# Allegro board ultrasound_tnr_1000a_01_20171121.brd (continued)
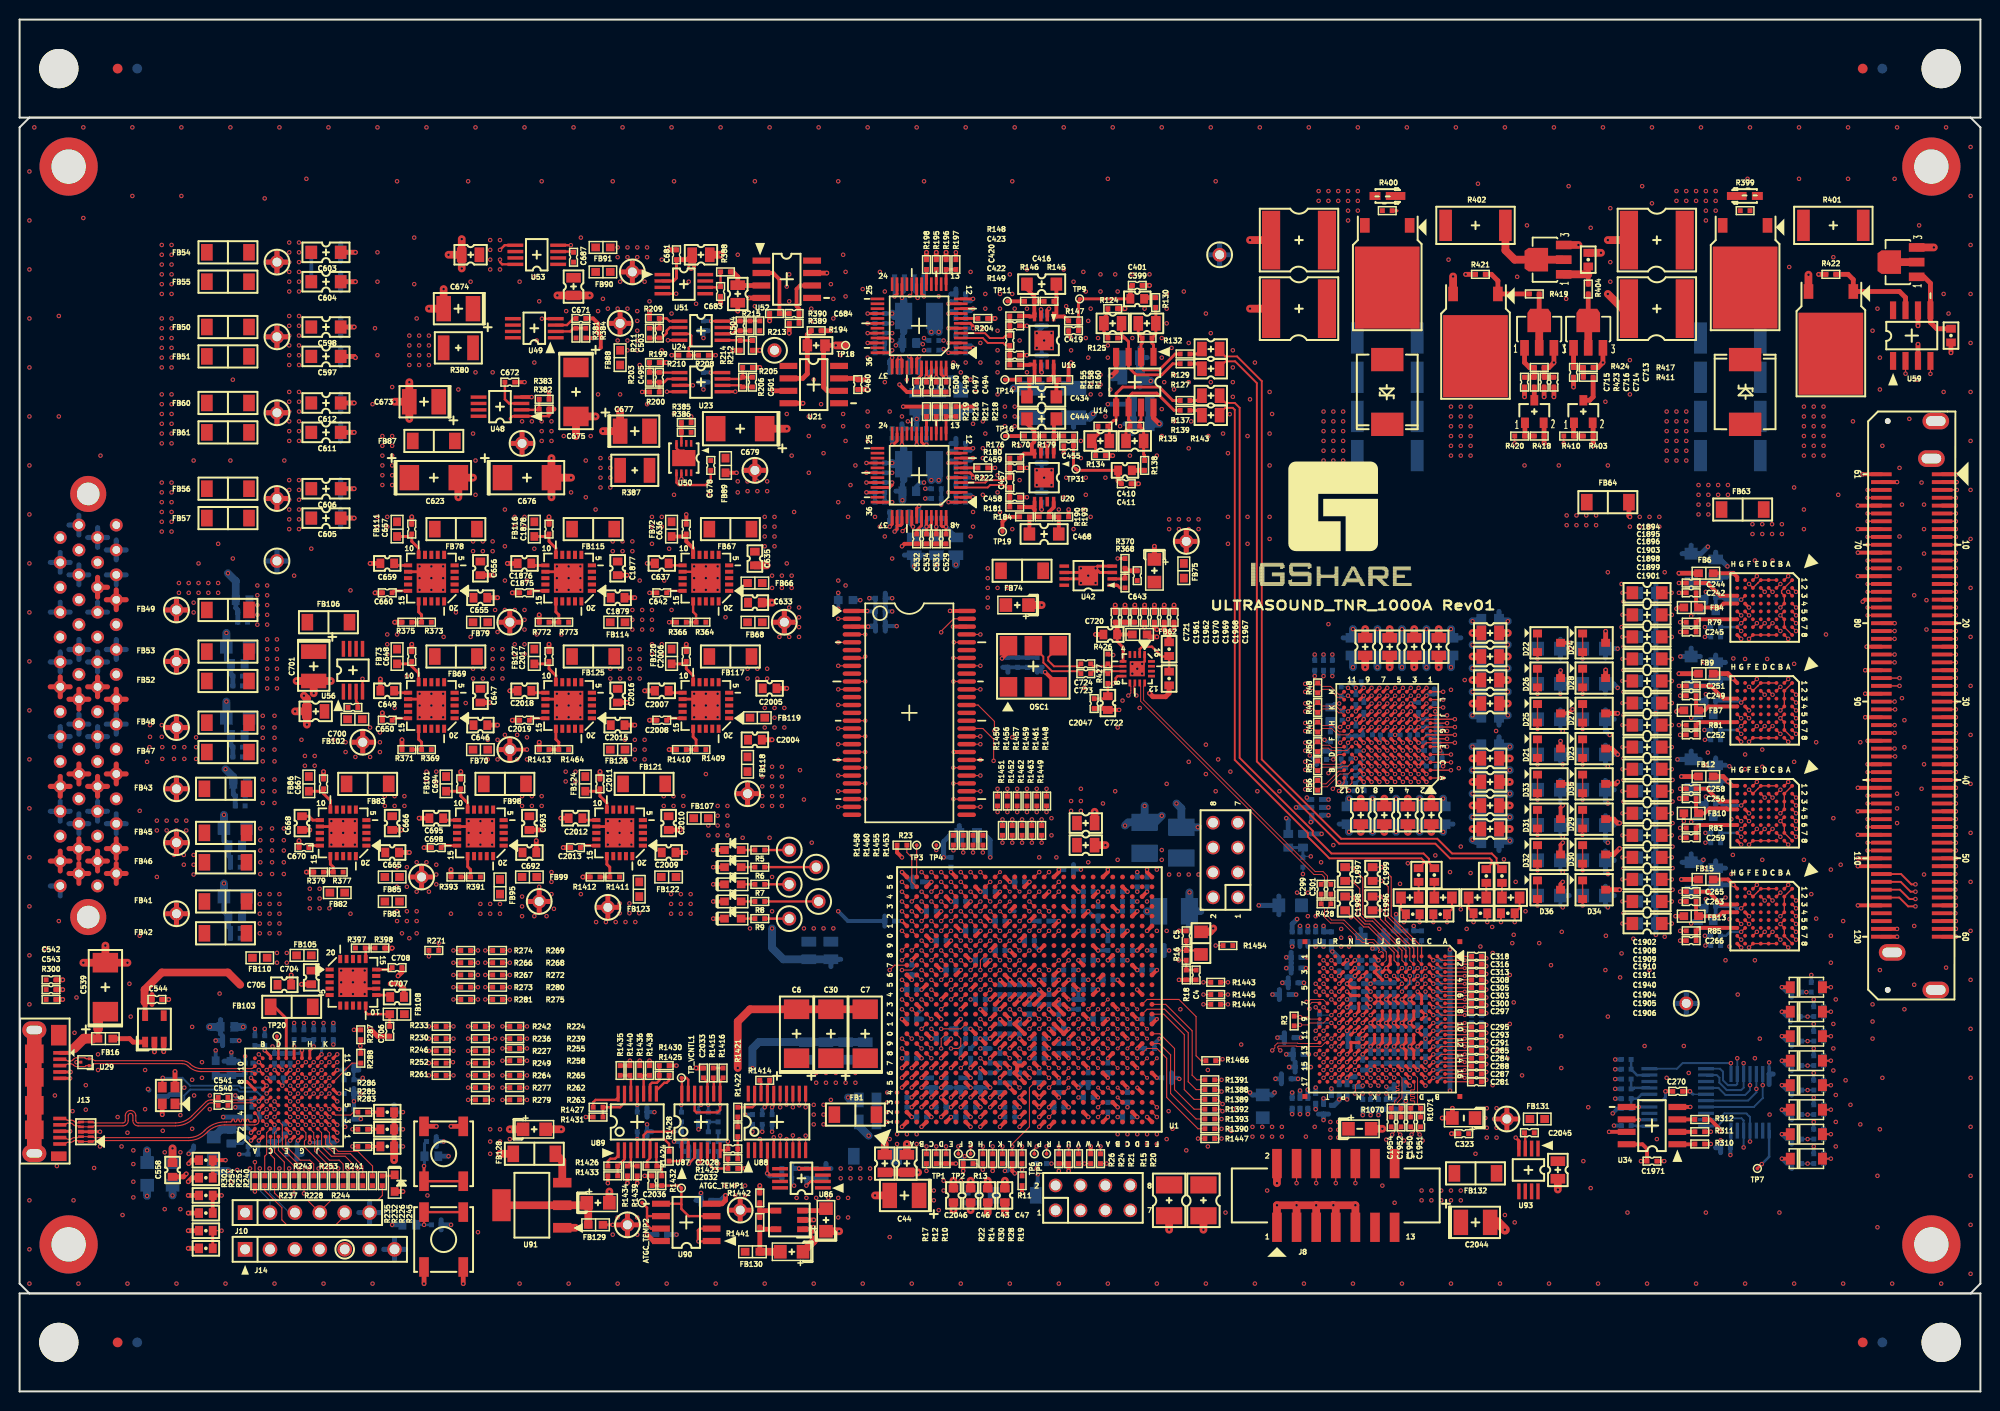
[diagram p0: board, top side]
## Routing (per net, layer and track width the routed paths; a pad name or vN(x,y) marks a point on that pad's centre or on a via; arc(x,y) is an arc through that point) (continued)
LVOUT_CH6: length 54.4
  TOP w0.13: C293.1 149.4,36.4 v1(149.6,36.6) ; U3.A3 v1(142.7,62.2)
  TOP w0.14: D33.1 D33.2 v1(154.82,60.4)
  SIG1 w0.14: v1(154.82,60.4) 154.3,60.4 153.8,59.9 153.8,56.5 154.9,55.4 158.8,55.4 161.1,53.1 161.1,45.3 152.4,36.6 v1(149.6,36.6)
  SIG2 w0.14: v1(154.82,60.4) 153.62,61.6 146.5,61.6 146.3,61.8 143.1,61.8 v1(142.7,62.2)
  BOTTOM w0.14: L12.2 154.84,60.84 154.82,60.82 v1(154.82,60.4)
  BOTTOM w0.25: C1978.1 149.4,36.8 v1(149.6,36.6)
LVOUT_CH7: length 52.4
  TOP w0.13: v1(149.6,37.4) 149.4,37.2 C295.1 ; U3.B3 v1(142.7,63)
  TOP w0.14: D35.1 D35.2 v1(159.43,60.4)
  SIG1 w0.14: v1(142.7,63) 143.1,62.6 143.1,61.94 143.24,61.8 146.1,61.8 147.1,62.8 156.7,62.8 159.1,60.4 v1(159.43,60.4)
  SIG3 w0.14: v1(159.43,60.4) 159,60.4 158,59.4 158,44.4 151,37.4 v1(149.6,37.4)
  BOTTOM w0.14: v1(159.43,60.4) 159.43,60.82 159.44,60.84 L13.2
  BOTTOM w0.25: C1979.1 149.4,37.6 v1(149.6,37.4)
LVOUT_CH8: length 66.3
  TOP w0.13: C297.1 149.4,38.8 v1(149.6,38.6) ; U3.M6 v1(140.3,71.8)
  TOP w0.14: D22.1 D22.2 v1(154.82,74.8)
  SIG2 w0.14: v1(140.3,71.8) 140.3,73.9 140.8,74.4 154.43,74.4 v1(154.82,74.8) 155.6,74.8 156,74.4 156,71.2 158.8,68.4 158.8,61.2 158.45,60.85 158.45,44.15 152.9,38.6 v1(149.6,38.6)
  BOTTOM w0.14: L7.2 154.84,75.24 154.82,75.22 v1(154.82,74.8)
  BOTTOM w0.25: C1980.1 149.4,38.4 v1(149.6,38.6)
LVOUT_CH9: length 71.3
  TOP w0.13: U3.L6 v1(140.3,71) ; C300.1 149.4,39.6 v1(149.6,39.4)
  TOP w0.14: D24.1 D24.2 v1(159.43,74.8)
  SIG3 w0.14: v1(149.6,39.4) 151.2,39.4 156.7,44.9 156.7,68 157.5,68.8 159.5,68.8 160.2,69.5 160.2,74.03 v1(159.43,74.8)
  SIG4 w0.14: v1(140.3,71) 139.9,71.4 139.9,73 140.4,73.5 140.4,74.6 141.5,75.7 155.5,75.7 156.4,74.8 v1(159.43,74.8)
  BOTTOM w0.14: L6.2 159.44,75.24 159.43,75.22 v1(159.43,74.8)
  BOTTOM w0.25: C1981.1 149.4,39.2 v1(149.6,39.4)
LVOUT_CH10: length 55.8
  TOP w0.13: U3.M5 v1(141.1,71.8) ; C303.1 149.4,40.4 v1(149.6,40.2)
  TOP w0.14: v1(154.82,71.2) D26.2 D26.1
  SIG2 w0.14: v1(149.6,40.2) 151.2,40.2 156,45 156,70.03 v1(154.82,71.2) 152.82,73.2 142,73.2 141.1,72.3 v1(141.1,71.8)
  BOTTOM w0.14: v1(154.82,71.2) 154.82,71.62 154.84,71.64 L8.2
  BOTTOM w0.25: v1(149.6,40.2) 149.4,40 C1982.1
LVOUT_CH11: length 64.3
  TOP w0.13: v1(149.6,41) 149.4,41.2 C305.1 ; U3.L5 v1(141.1,71)
  TOP w0.14: D28.1 D28.2 v1(159.43,71.2)
  SIG3 w0.14: v1(159.43,71.2) 158.1,71.2 155.6,68.7 155.6,45.3 151.3,41 v1(149.6,41)
  SIG4 w0.14: v1(159.43,71.2) 158.62,72 156.7,72 154.3,74.4 141.8,74.4 141.55,74.15 141.55,73.45 140.7,72.6 140.7,71.4 v1(141.1,71)
  BOTTOM w0.14: L9.2 159.44,71.64 159.43,71.62 v1(159.43,71.2)
  BOTTOM w0.25: C1983.1 149.4,40.8 v1(149.6,41)
LVOUT_CH12: length 50.1
  TOP w0.13: U3.B5 v1(141.1,63) ; v1(149.6,41.8) 149.4,42 C308.1
  TOP w0.14: v1(159.43,53.2) D30.2 D30.1
  SIG1 w0.14: v1(149.6,41.8) 155.4,41.8 160.2,46.6 160.2,52.42 v1(159.43,53.2) 158.12,54.5 154.2,54.5 152.7,56 152.7,58.8 152.3,59.2 142.8,59.2 142.2,59.8 142.2,60.6 141.5,61.3 141.5,62.6 v1(141.1,63)
  BOTTOM w0.14: L15.2 159.44,53.64 159.43,53.62 v1(159.43,53.2)
  BOTTOM w0.25: v1(149.6,41.8) 149.4,41.6 C1984.1
LVOUT_CH13: length 38.5
  TOP w0.13: C313.1 149.4,42.8 v1(149.6,42.6) ; U3.A5 v1(141.1,62.2)
  TOP w0.14: v1(154.82,53.2) D32.2 D32.1
  SIG2 w0.14: v1(154.82,53.2) 154.82,55.38 152.2,58 146.6,58 145.65,58.95 143.05,58.95 142.2,59.8 142.2,60.6 141.5,61.3 141.5,61.8 v1(141.1,62.2)
  SIG3 w0.14: v1(149.6,42.6) 151.2,42.6 154.2,45.6 154.2,52.58 v1(154.82,53.2)
  BOTTOM w0.14: v1(154.82,53.2) 154.82,53.62 154.84,53.64 L14.2
  BOTTOM w0.25: C1985.1 149.4,42.4 v1(149.6,42.6)
LVOUT_CH14: length 46.4
  TOP w0.13: U3.B6 v1(140.3,63) ; v1(149.6,43.4) 149.4,43.6 C316.1
  TOP w0.14: v1(159.43,49.6) D34.2 D34.1
  SIG1 w0.14: v1(149.6,43.4) 154.8,43.4 159.43,48.02 v1(159.43,49.6) 159.43,51.98 157.7,53.7 153.7,53.7 149.4,58 142.3,58 141,59.3 141,60.8 140.7,61.1 140.7,62.6 v1(140.3,63)
  BOTTOM w0.14: v1(159.43,49.6) 159.43,50.02 159.44,50.04 L16.2
  BOTTOM w0.25: C1986.1 149.4,43.2 v1(149.6,43.4)
LVOUT_CH15: length 37.2
  TOP w0.13: v1(149.6,44.2) 149.4,44.4 C318.1 ; U3.A6 v1(140.3,62.2)
  TOP w0.14: v1(154.82,49.6) D36.2 D36.1
  SIG1 w0.14: v1(154.82,49.6) 154.9,49.52 154.9,46.6 152.5,44.2 v1(149.6,44.2)
  SIG2 w0.14: v1(154.82,49.6) 153.76,50.66 153.76,53.64 150.6,56.8 146.6,56.8 145.35,58.05 142.55,58.05 141,59.6 141,60.8 140.7,61.1 140.7,61.8 v1(140.3,62.2)
  BOTTOM w0.14: v1(154.82,49.6) 154.82,50.02 154.84,50.04 L17.2
  BOTTOM w0.25: v1(149.6,44.2) 149.4,44 C1987.1
M0: length 9
  TOP w0.115: R24.2 v1(107,25) ; U1.T5 v1(105,31)
  SIG4 w0.13: v1(105,31) 105,29.75 105.5,29.25 105.5,28 107,26.5 v1(107,25)
  BOTTOM w0.115: R24.2 v1(107,25)
M1: length 5.6
  TOP w0.115: U1.T2 v1(105,28) ; R26.2 v1(106,25)
  SIG4 w0.13: v1(105,28) 106,27 v1(106,25)
  BOTTOM w0.115: R26.2 v1(106,25)
M2: length 8.9
  TOP w0.115: U1.P5 103,31 103,27 101.25,25.25 v1(101.25,25) R28.2
  BOTTOM w0.115: R28.2 v1(101.25,25)
N24198_30 HVMUX_HVMUX1: length 7.4
  TOP w0.4: U5.H1 v1(174.75,72.75)
  TOP w0.5: v1(174.75,72.75) 174.25,73.25 FB9.1
  BOTTOM w0.4: v1(174.75,72.75) 173.15,72.75 C255.1
  BOTTOM w0.5: C254.1 172.4,72 C255.1
N24198_30 HVMUX_HVMUX3: length 7.6
  TOP w0.4: FB6.1 v1(174.8,83.5) 175.2,83.1 U4.H1
  BOTTOM w0.5: v1(174.8,83.5) 174.5,83.5 174.1,83.1 C248.1 172.4,82.5 C247.1
N24198_30 HVMUX_HVMUX03: length 6.9
  TOP w0.4: v1(174.25,62.25) 174.7,61.8 U6.H1
  TOP w0.5: v1(174.25,62.25) 173.75,62.75 FB12.1
  BOTTOM w0.4: v1(174.25,62.25) 173.15,62.25 C262.1
  BOTTOM w0.5: C261.1 172.4,61.5 C262.1
N24198_30 HVMUX_HVMUX04: length 7.4
  TOP w0.3: U7.H1 v1(174.8,51.7)
  TOP w0.4: FB15.1 174.25,52.25 v1(174.8,51.7)
  BOTTOM w0.5: v1(174.8,51.7) 173.1,51.7 C269.1 172.4,51 C268.1
N24233_30 HVMUX_HVMUX1: length 5.7
  TOP w0.4: C249.1 171,69.75 FB7.1 171.88,69.5 172.28,69.9 U5.H4
N24233_30 HVMUX_HVMUX3: length 5.7
  TOP w0.4: U4.H4 173.8,80.4 173.4,80 FB4.1 171,80.25 C242.1
N24233_30 HVMUX_HVMUX03: length 5.8
  TOP w0.4: C256.1 171,59.25 FB10.1 171.88,59 172.38,59.5 174.1,59.5 174.2,59.4 U6.H4
N24233_30 HVMUX_HVMUX04: length 5.7
  TOP w0.4: U7.H4 173.7,48.9 173.3,48.5 FB13.1 171,48.75 C263.1
N24253_30 HVMUX_HVMUX1: length 4.9
  TOP w0.15: v1(175.6,70.3) U5.G3
  BOTTOM w0.4: FB8.1 173,69.25 C250.1 175.4,70.5 v1(175.6,70.3)
N24253_30 HVMUX_HVMUX3: length 4.6
  TOP w0.14: v1(175.6,80.8) U4.G3
  BOTTOM w0.4: FB5.1 C243.1 173.8,81 174,80.8 v1(175.6,80.8)
N24253_30 HVMUX_HVMUX03: length 4.9
  TOP w0.14: v1(175.6,59.8) U6.G3
  BOTTOM w0.3: v1(175.6,59.8) 173.7,59.8 173.49,60.01 173.01,60.01 C257.1
  BOTTOM w0.4: C257.1 173,58.62 FB11.1
N24253_30 HVMUX_HVMUX04: length 4.9
  TOP w0.14: U7.G3 v1(175.6,49.3)
  BOTTOM w0.3: v1(175.6,49.3) 175.09,49.3 174.89,49.5 C264.1
  BOTTOM w0.4: FB14.1 173,48.25 C264.1
N16777331_30 HVMUX_HVMUX1: length 5.3
  TOP w0.4: U5.H6 171.3,68.3 R81.1 C252.1
N16777331_30 HVMUX_HVMUX3: length 5.3
  TOP w0.4: C245.1 R79.1 171.3,78.8 U4.H6
N16777331_30 HVMUX_HVMUX03: length 5.3
  TOP w0.4: U6.H6 171.3,57.8 R83.1 C259.1
N16777331_30 HVMUX_HVMUX04: length 5.3
  TOP w0.4: U7.H6 171.3,47.3 R85.1 C266.1
N16777361_30 HVMUX_HVMUX1: length 3.8
  TOP w0.14: v1(175.6,67.9) U5.G6
  BOTTOM w0.25: R82.1 C253.1 175.2,67.5 v1(175.6,67.9)
N16777361_30 HVMUX_HVMUX3: length 3.8
  TOP w0.14: v1(175.6,78.4) U4.G6
  BOTTOM w0.25: R80.1 C246.1 175.2,78 v1(175.6,78.4)
N16777361_30 HVMUX_HVMUX03: length 3.8
  TOP w0.14: v1(175.6,57.4) U6.G6
  BOTTOM w0.25: R84.1 C260.1 175.2,57 v1(175.6,57.4)
N16777361_30 HVMUX_HVMUX04: length 3.8
  TOP w0.14: U7.G6 v1(175.6,46.9)
  BOTTOM w0.25: v1(175.6,46.9) 174.45,46.9 174.05,46.5 C267.1 R86.1
N16777377_30 HVMUX_HVMUX1: length 4.7
  TOP w0.4: U5.H3 173.8,70.7 172.5,72 C251.1
N16777377_30 HVMUX_HVMUX3: length 4.7
  TOP w0.4: C244.1 172.15,82.5 173.45,81.2 U4.H3
N16777377_30 HVMUX_HVMUX03: length 4.7
  TOP w0.4: C258.1 172.1,61.5 173.4,60.2 U6.H3
N16777377_30 HVMUX_HVMUX04: length 4.7
  TOP w0.4: C265.1 172.25,51 173.55,49.7 U7.H3
Net_29: length 0.7
  TOP w0.115: 90.5,40.5 v1(91,40)
Net_34: length 0.7
  TOP w0.115: 90.5,41.5 v1(90,42)
Net_125: length 0.7
  TOP w0.115: 106.5,43.5 v1(107,44)
Net_128: length 0.7
  TOP w0.115: 105.5,43.5 v1(106,44)
Net_129: length 0.7
  TOP w0.115: 94.5,49.5 v1(94,50)
Net_130: length 0.7
  TOP w0.115: 99.5,47.5 v1(100,47)
Net_131: length 0.7
  TOP w0.115: 91.5,50.5 v1(91,50)
Net_132: length 0.7
  TOP w0.115: 100.5,49.5 v2(101,50)
Net_133: length 0.7
  TOP w0.115: 101.5,42.5 v1(102,43)
Net_138: length 0.7
  TOP w0.115: 115.5,28.5 v1(116,28)
Net_139: length 0.6
  TOP w0.115: 138.2,33.2 v1(138.6,32.8)
Net_140: length 0.7
  TOP w0.115: 115.5,29.5 v1(116,29)
Net_141: length 0.6
  TOP w0.115: 139,32.4 v1(139.4,32)
Net_142: length 0.7
  TOP w0.115: 114.5,32.5 v2(115,32)
Net_143: length 0.6
  TOP w0.115: 139.8,33.2 v1(140.2,32.8)
Net_145: length 0.6
  TOP w0.115: 139,33.2 v1(139.4,32.8)
OSC40_N: length 6.4
  TOP w0.2: C723.2 108,73.5 105.3,73.5 104.42,74.38 104.42,74.98 103.4,76 OSC1.5
OSC40_P: length 5.6
  TOP w0.2: OSC1.4 105.94,75.94 104.92,74.92 104.92,74.59 105.51,74 108,74 C724.2
PDN_CLOBAL: length 21.1
  TOP w0.115: U11.M16 v1(137,32) ; R1393.2 v1(122.6,27.8)
  SIG1 w0.13: v1(137,32) 136.6,31.6 133.8,31.6 132,29.8 124.2,29.8 122.8,31.2 122.4,31.2 122.06,30.86 122.06,28.34 v1(122.6,27.8)
PDN_FAST: length 23.1
  TOP w0.115: v1(122.7,33.9) 122.55,33.75 R1466.2 ; U11.M17 136.25,31.25 136.25,30.45 v1(136.2,30.4)
  SIG3 w0.13: v1(122.7,33.9) 122.85,33.75 123.45,33.75 123.6,33.6 132.2,33.6 132.6,33.2 138.05,33.2 138.2,33.05 138.2,30.2 138,30 136.6,30 v1(136.2,30.4)
PKTEND#: length 51.9
  TOP w0.115: v1(96,45) U1.F19 ; R274.1 v1(46.75,45)
  SIG2 w0.13: v1(46.75,45) 47.25,45.5 88,45.5 89,46.5 93.25,46.5 93.75,46 94.25,46 94.75,45.5 U1.F19 v1(96,45)
PLS_/RESET: length 34.5
  TOP w0.115: U3.H12 v1(134.7,67.8) ; v1(123.25,41.75) R1443.1
  SIG3 w0.13: v1(134.7,67.8) 135.1,67.4 135.1,63.6 128.5,57 128.5,48.6 123.25,43.35 v1(123.25,41.75)
  BOTTOM w0.3: 133.7,67.8 R58.1 ; 133.7,67.8 v1(134.7,67.8) ; 133.7,67.8 C196.1
PLS_CLKN: length 46
  TOP w0.095: v1(131.13,67.39) 131.39,67.65 131.95,67.65 132.3,67.3 R45.1 132.5,67.3 132.85,67.65 133.83,67.65 134.48,67 135.5,67 U3.G11 ; U1.P21 v1(103,47)
  SIG4 w0.105: v1(131.13,67.39) 130.84,67.67 124.47,67.67 109.34,52.54 109.34,51.01 108.31,49.98 108.31,48.24 106.07,46 104,46 103.38,46.62 103.38,46.9 103.27,47 v1(103,47)
PLS_CLKP: length 46
  TOP w0.095: U3.G12 135,67.3 134.6,67.3 133.95,67.95 132.85,67.95 132.5,68.3 R45.2 132.3,68.3 131.95,67.95 131.39,67.95 v1(131.13,68.21) ; U1.R21 v1(104,47)
  SIG4 w0.105: v1(131.13,68.21) 130.84,67.92 130.52,67.92 130.45,67.99 130.45,68.16 130.38,68.23 130.29,68.23 130.22,68.16 130.22,67.99 130.15,67.92 130.05,67.92 129.99,67.99 129.99,68.16 129.92,68.23 129.82,68.23 129.75,68.16 129.75,67.99 129.69,67.92 129.59,67.92 129.52,67.99 129.52,68.16 129.45,68.23 129.36,68.23 129.29,68.16 129.29,67.99 129.22,67.92 124.37,67.92 109.09,52.64 109.09,51.11 108.06,50.08 108.06,48.34 105.97,46.25 104.1,46.25 103.62,46.73 103.62,46.9 103.73,47 v1(104,47)
PLS_DATA_N0: length 46.1
  TOP w0.095: U1.K26 v2(100,53) ; U3.M11 v1(135.5,71.8)
  SIG1 w0.105: v1(135.5,71.8) 135.22,71.53 134.27,71.53 133.66,70.91 121.66,70.91 118.01,67.26 118.01,66.76 106.5,55.25 103.1,55.25 100.47,52.62 100.11,52.62 100,52.73 v2(100,53)
  BOTTOM w0.095: R46.1 135.4,71.9 v1(135.5,71.8)
PLS_DATA_N1: length 46.1
  TOP w0.095: U1.P26 v1(104,53) ; U3.K11 v1(135.5,69.4)
  SIG1 w0.105: v1(104,53) 104.27,53 104.38,53.1 104.38,53.62 104.74,53.99 107.24,53.99 122.15,68.9 124.36,68.9 124.7,68.57 124.7,67.85 124.88,67.67 125.14,67.67 125.33,67.85 125.33,68.57 125.66,68.9 126.12,68.9 126.46,68.57 126.46,67.85 126.64,67.67 126.9,67.67 127.09,67.85 127.09,68.57 127.42,68.9 127.89,68.9 128.22,68.57 128.22,67.85 128.4,67.67 128.66,67.67 128.85,67.85 128.85,68.57 129.18,68.9 131.55,68.9 131.78,69.12 135.22,69.12 v1(135.5,69.4)
  BOTTOM w0.095: R47.1 135.4,69.5 v1(135.5,69.4)
PLS_DATA_N2: length 46.1
  TOP w0.095: U3.M12 134.85,71.15 134.52,71.15 133.72,71.95 132.85,71.95 132.5,72.3 R48.1 132.3,72.3 131.95,71.95 131.39,71.95 v1(131.13,72.21) ; U1.L25 v2(101,51)
  SIG4 w0.105: v2(101,51) 101.27,51 101.38,51.1 101.38,51.44 101.75,51.82 101.75,53.25 102.5,54 106.01,54 121.36,69.35 121.36,70.38 122.9,71.92 130.84,71.92 v1(131.13,72.21)
PLS_DATA_N3: length 46
  TOP w0.095: U3.K12 134.85,69.55 134.67,69.55 134.27,69.95 132.85,69.95 132.5,70.3 R49.1 132.3,70.3 131.95,69.95 131.39,69.95 v1(131.13,70.21) ; U1.N24 v1(103,51)
  SIG4 w0.105: v1(103,51) 103.27,51 103.38,51.1 103.38,51.48 104.15,52.25 105.15,52.25 105.67,52.77 106.67,52.77 123.24,69.34 123.97,69.34 124.15,69.52 124.15,70.41 124.48,70.74 124.95,70.74 125.28,70.41 125.28,69.52 125.47,69.34 125.73,69.34 125.91,69.52 125.91,70.41 126.24,70.74 126.71,70.74 127.04,70.41 127.04,69.52 127.23,69.34 128.5,69.34 129.08,69.92 130.84,69.92 v1(131.13,70.21)
PLS_DATA_P0: length 46.1
  TOP w0.095: U3.L11 v1(135.5,71) ; U1.K25 v2(100,52)
  SIG1 w0.105: v1(135.5,71) 135.22,71.28 134.38,71.28 133.76,70.66 121.76,70.66 118.26,67.16 118.26,66.66 106.6,55 103.2,55 100.58,52.38 100.11,52.38 100,52.27 v2(100,52)
  BOTTOM w0.095: v1(135.5,71) 135.4,70.9 R46.2
PLS_DATA_P1: length 46
  TOP w0.095: U3.J11 v1(135.5,68.6) ; U1.R26 v1(105,53)
  SIG1 w0.105: v1(135.5,68.6) 135.22,68.88 134.84,68.88 134.77,68.81 134.77,68.68 134.7,68.61 134.61,68.61 134.54,68.68 134.54,68.81 134.47,68.88 131.88,68.88 131.65,68.65 129.28,68.65 129.1,68.47 129.1,67.75 128.76,67.42 128.3,67.42 127.97,67.75 127.97,68.47 127.78,68.65 127.52,68.65 127.34,68.47 127.34,67.75 127,67.42 126.54,67.42 126.21,67.75 126.21,68.47 126.02,68.65 125.76,68.65 125.58,68.47 125.58,67.75 125.25,67.42 124.78,67.42 124.45,67.75 124.45,68.47 124.26,68.65 122.25,68.65 107.34,53.74 104.84,53.74 104.62,53.52 104.62,53.1 104.73,53 v1(105,53)
  BOTTOM w0.095: R47.2 135.4,68.5 v1(135.5,68.6)
PLS_DATA_P2: length 46.1
  TOP w0.095: U3.L12 134.85,70.85 134.4,70.85 133.6,71.65 132.85,71.65 132.5,71.3 R48.2 132.3,71.3 131.95,71.65 131.39,71.65 v1(131.13,71.39) ; U1.M25 v2(102,51)
  SIG4 w0.105: v1(131.13,71.39) 130.85,71.67 130.53,71.67 130.46,71.6 130.46,71.55 130.39,71.48 130.3,71.48 130.23,71.55 130.23,71.6 130.16,71.67 130.06,71.67 130,71.6 130,71.55 129.93,71.48 129.83,71.48 129.76,71.55 129.76,71.6 129.7,71.67 123,71.67 121.61,70.28 121.61,69.25 106.11,53.75 102.6,53.75 102,53.15 102,51.71 101.62,51.34 101.62,51.1 101.73,51 v2(102,51)
PLS_DATA_P3: length 46
  TOP w0.095: v1(131.13,69.39) 131.39,69.65 131.95,69.65 132.3,69.3 R49.2 132.5,69.3 132.85,69.65 134.15,69.65 134.55,69.25 134.85,69.25 U3.J12 ; U1.P24 v1(104,51)
  SIG4 w0.105: v1(104,51) 103.73,51 103.62,51.1 103.62,51.38 104.25,52 105.25,52 105.77,52.52 106.77,52.52 123.34,69.09 124.07,69.09 124.4,69.42 124.4,70.31 124.59,70.49 124.85,70.49 125.03,70.31 125.03,69.42 125.36,69.09 125.83,69.09 126.16,69.42 126.16,70.31 126.35,70.49 126.61,70.49 126.79,70.31 126.79,69.42 127.12,69.09 128.6,69.09 129.19,69.67 129.78,69.67 129.85,69.61 129.85,69.56 129.92,69.49 130.01,69.49 130.08,69.56 130.08,69.61 130.15,69.67 130.24,69.67 130.31,69.61 130.31,69.56 130.38,69.49 130.48,69.49 130.54,69.56 130.54,69.61 130.61,69.67 130.84,69.67 v1(131.13,69.39)
PLS_DATAOUT: length 28.3
  TOP w0.115: U3.A12 135.1,62.1 134.75,61.75 134.25,61.75 134,61.5 v1(133.95,61.5) ; R1445.1 v1(123.25,40.5)
  SIG3 w0.13: v1(133.95,61.5) 133.6,61.5 128.9,56.8 128.9,48.4 123.9,43.4 123.9,41.15 v1(123.25,40.5)
PLS_ENABLE_N: length 46.1
  TOP w0.095: v1(131.13,61.44) 131.39,61.7 131.67,61.7 132,61.7 132.35,61.35 R56.1 132.45,61.35 132.8,61.7 133.37,61.7 134.67,63 135.5,63 U3.B11 ; U1.M19 v1(102,45)
  SIG1 w0.105: v1(102,45) 102.27,45 102.38,44.9 102.38,44.64 102.77,44.25 104.43,44.25 107.85,47.67 107.85,49.6 110.27,52.02 111.22,52.02 120.93,61.73 123.95,61.73 124.14,61.54 124.14,61.04 124.47,60.71 124.94,60.71 125.27,61.04 125.27,61.54 125.45,61.73 130.84,61.73 v1(131.13,61.44)
PLS_ENABLE_P: length 46.1
  TOP w0.095: U1.N18 v1(103,45) ; v1(131.13,62.26) 131.39,62 131.8,62 132,62 132.35,62.35 R56.2 132.45,62.35 132.8,62 133.25,62 134.55,63.3 135,63.3 U3.B12
  SIG1 w0.105: v1(131.13,62.26) 130.84,61.98 130.61,61.98 130.54,62.04 130.54,62.15 130.48,62.22 130.38,62.22 130.31,62.15 130.31,62.04 130.24,61.98 130.15,61.98 130.08,62.04 130.08,62.15 130.01,62.22 129.92,62.22 129.85,62.15 129.85,62.04 129.78,61.98 129.68,61.98 129.62,62.04 129.62,62.15 129.55,62.22 129.45,62.22 129.38,62.15 129.38,62.04 129.32,61.98 129.22,61.98 129.15,62.04 129.15,62.15 129.08,62.22 128.99,62.22 128.92,62.15 128.92,62.04 128.85,61.98 125.35,61.98 125.02,61.64 125.02,61.14 124.83,60.96 124.57,60.96 124.39,61.14 124.39,61.64 124.06,61.98 120.82,61.98 111.12,52.27 110.17,52.27 107.6,49.7 107.6,47.77 104.33,44.5 102.87,44.5 102.62,44.75 102.62,44.9 102.73,45 v1(103,45)
PLS_INT: length 19.7
  TOP w0.115: U3.H11 v1(135.5,67.8)
  SIG3 w0.13: v1(135.5,67.8) 135.9,67.4 135.9,62.4 135.05,61.55 135.05,61.05 134.4,60.4 134.4,58.1 133.8,57.5 132.6,57.5 131.7,56.6 v1(131.7,54.6)
  BOTTOM w0.115: v1(131.7,54.6) 131,54.6 R1446.1
  BOTTOM w0.3: R1074.2 R53.1 R1446.1
PLS_SYS_CLKN: length 46
  TOP w0.095: U3.E11 135.8,65.8 135.4,65.4 133.75,65.4 133.5,65.65 132.85,65.65 132.5,65.3 R50.1 132.3,65.3 131.95,65.65 131.39,65.65 v1(131.13,65.39) ; U1.N23 v1(103,49)
  SIG1 w0.105: v1(103,49) 103,49.27 103.11,49.38 103.58,49.38 104,49.8 105.89,49.8 121.76,65.67 122.5,65.67 122.69,65.49 122.69,64.94 123.02,64.61 123.48,64.61 123.82,64.94 123.82,65.49 124,65.67 124.26,65.67 124.45,65.49 124.45,64.94 124.78,64.61 125.24,64.61 125.58,64.94 125.58,65.49 125.76,65.67 126.02,65.67 126.21,65.49 126.21,64.94 126.54,64.61 127,64.61 127.34,64.94 127.34,65.49 127.52,65.67 130.84,65.67 v1(131.13,65.39)
PLS_SYS_CLKP: length 46.1
  TOP w0.095: U3.E12 135,65.7 133.87,65.7 133.62,65.95 132.85,65.95 132.5,66.3 R50.2 132.3,66.3 131.95,65.95 131.39,65.95 v1(131.13,66.21) ; U1.P23 v1(103,50)
  SIG1 w0.105: v1(131.13,66.21) 130.84,65.92 130.56,65.92 130.49,65.99 130.49,66.03 130.42,66.1 130.32,66.1 130.26,66.03 130.26,65.99 130.19,65.92 130.09,65.92 130.02,65.99 130.02,66.03 129.96,66.1 129.86,66.1 129.79,66.03 129.79,65.99 129.72,65.92 129.63,65.92 129.56,65.99 129.56,66.03 129.49,66.1 129.4,66.1 129.33,66.03 129.33,65.99 129.26,65.92 129.16,65.92 129.1,65.99 129.1,66.03 129.03,66.1 128.93,66.1 128.86,66.03 128.86,65.99 128.8,65.92 128.7,65.92 128.63,65.99 128.63,66.03 128.56,66.1 128.47,66.1 128.4,66.03 128.4,65.99 128.33,65.92 127.42,65.92 127.09,65.59 127.09,65.04 126.9,64.86 126.64,64.86 126.46,65.04 126.46,65.59 126.12,65.92 125.66,65.92 125.33,65.59 125.33,65.04 125.14,64.86 124.88,64.86 124.7,65.04 124.7,65.59 124.36,65.92 123.9,65.92 123.57,65.59 123.57,65.04 123.38,64.86 123.12,64.86 122.94,65.04 122.94,65.59 122.6,65.92 121.66,65.92 105.79,50.05 103.9,50.05 103.47,49.62 103.11,49.62 103,49.73 v1(103,50)
PLS_TRIGER_N: length 46
  TOP w0.095: U3.C11 135.5,63.8 134.92,63.8 134.82,63.7 132.8,63.7 132.45,63.35 R57.1 132.35,63.35 132,63.7 131.67,63.7 131.39,63.7 v1(131.13,63.44) ; U1.R17 v1(105,43)
  SIG4 w0.105: v1(105,43) 104.73,43 104.62,43.1 104.62,43.38 107,45.75 107.91,45.75 111.92,49.76 111.92,52.32 123.33,63.73 124.02,63.73 124.2,63.54 124.2,63.08 124.53,62.75 125,62.75 125.33,63.08 125.33,63.54 125.52,63.73 125.78,63.73 125.96,63.54 125.96,63.08 126.29,62.75 126.76,62.75 127.09,63.08 127.09,63.54 127.28,63.73 130.84,63.73 v1(131.13,63.44)
PLS_TRIGER_P: length 46.1
  TOP w0.095: U1.R16 v1(104,43) ; U3.C12 134.9,64.2 134.7,64 132.8,64 132.45,64.35 R57.2 132.35,64.35 132,64 131.8,64 131.39,64 v1(131.13,64.26)
  SIG4 w0.105: v1(104,43) 104.27,43 104.38,43.1 104.38,43.48 106.9,46 107.81,46 111.67,49.86 111.67,52.42 123.22,63.98 124.12,63.98 124.45,63.64 124.45,63.18 124.64,63 124.9,63 125.08,63.18 125.08,63.64 125.41,63.98 125.88,63.98 126.21,63.64 126.21,63.18 126.4,63 126.66,63 126.84,63.18 126.84,63.64 127.17,63.98 129.71,63.98 129.78,64.04 129.78,64.13 129.84,64.2 129.94,64.2 130.01,64.13 130.01,64.04 130.08,63.98 130.17,63.98 130.24,64.04 130.24,64.13 130.31,64.2 130.4,64.2 130.47,64.13 130.47,64.04 130.54,63.98 130.84,63.98 v1(131.13,64.26)
PLS_TX_ON: length 30.3
  TOP w0.115: U3.A11 135.9,62.1 135.6,61.8 135.3,61.8 134.78,61.27 v1(134.57,61.27) ; R1444.1 v1(123.25,39.5)
  SIG3 w0.13: v1(123.25,39.5) 123.7,39.5 124.3,40.1 124.3,43.2 129.3,48.2 129.3,54.7 132.5,57.9 133.6,57.9 134,58.3 134,60.7 v1(134.57,61.27)
PMODE0: length 2.1
  TOP w0.3: R283.1 v1(36,25) R276.2
  BOTTOM w0.3: v1(36,25) R276.2
PMODE1: length 2.1
  TOP w0.3: R282.2 v1(36,26.75) R285.1
  BOTTOM w0.3: R282.2 v1(36,26.75)
PMODE2: length 2.1
  TOP w0.3: R286.1 v1(36,28.5) R289.2
  BOTTOM w0.3: v1(36,28.5) R289.2
PPMIX_10VP: length 18.5
  TOP w0.25: 50,99.25 50.27,99.53 U48.1 53.98,99.53 54,99.5 ; U23.8 v1(70.5,103.97) ; U24.8 v1(70.53,109.22)
  TOP w0.4: C672.2 v1(51.5,103)
  TOP w0.515: TH27.1 51.25,97.81 ; TH27.1 51.25,95.69 ; TH27.1 50.19,96.75 ; TH27.1 52.31,96.75 ; 54.51,100.25 R382.2 54,99.75
  SIG2 w0.53: TH27.1 51.25,97.81 ; TH27.1 52.31,96.75 ; TH27.1 50.19,96.75 ; TH27.1 51.25,95.69
  BOTTOM w0.4: C491.1 70.47,104 v1(70.5,103.97) ; v1(70.53,109.22) 70.5,109.25 C502.1
  vias: v1(51.25,99) v1(52.25,99) v1(53.25,99) v1(53.25,98) v1(53.25,97) v1(54.25,99) v1(54.25,98) v1(54.25,97)
PRB_EL_D0: length 26.6
  TOP w0.14: U4.F1 v1(177.2,83.2)
  TOP w0.15: J17.3 v1(197.6,92)
  SIG4 w0.14: v1(177.2,83.2) 178.2,84.2 180,84.2 188.4,92.6 189.4,92.6 190,92 v1(197.6,92)
PRB_EL_D1: length 22.4
  TOP w0.14: U4.B1 v1(180.4,83.2)
  TOP w0.15: J17.4 v1(197.5,91.2)
  SIG4 w0.14: v1(180.4,83.2) 181.2,83.2 188.25,90.25 189,90.25 189.95,91.2 v1(197.5,91.2)
PRB_EL_D2: length 24.2
  TOP w0.14: U4.A5 v1(181.2,79.2)
  TOP w0.15: J17.6 v1(197.5,89.6)
  SIG4 w0.14: v1(181.2,79.2) 182.45,79.2 184.75,81.5 184.75,84.25 188.5,88 189,88 190.6,89.6 v1(197.5,89.6)
PRB_EL_D3: length 26.4
  TOP w0.14: U4.C7 v1(179.6,77.6)
  TOP w0.15: J17.7 v1(197.5,88.8)
  SIG4 w0.14: v1(179.6,77.6) 180.4,77.6 180.9,77.1 182.35,77.1 185.75,80.5 185.75,83 188.5,85.75 189.25,85.75 192.3,88.8 v1(197.5,88.8)
PRB_EL_D4: length 29.9
  TOP w0.14: U5.F1 v1(177.2,72.7)
  TOP w0.15: J17.9 v1(197.5,87.2)
  SIG4 w0.14: v1(177.2,72.7) 178.2,73.7 181.7,73.7 186.75,78.75 186.75,81.5 188.5,83.25 188.75,83.25 192.7,87.2 v1(197.5,87.2)
PRB_EL_D5: length 26.8
  TOP w0.14: U5.B1 v1(180.4,72.7)
  TOP w0.15: J17.10 v1(197.5,86.4)
  SIG4 w0.14: v1(180.4,72.7) 183.2,72.7 189.25,78.75 189.25,82.25 193.4,86.4 v1(197.5,86.4)
PRB_EL_D6: length 27.6
  TOP w0.14: U5.A5 v1(181.2,68.7)
  TOP w0.15: J17.12 v1(197.5,84.8)
  SIG4 w0.14: v1(197.5,84.8) 193.3,84.8 190,81.5 190,77 181.7,68.7 v1(181.2,68.7)
PRB_EL_D7: length 30.6
  TOP w0.14: U5.C7 v1(179.6,67.1)
  TOP w0.15: J17.13 v1(197.5,84)
  SIG4 w0.14: v1(179.6,67.1) 180.4,67.1 180.9,66.6 182.1,66.6 190.75,75.25 190.75,81 193.75,84 v1(197.5,84)
PRB_EL_D8: length 34.5
  TOP w0.14: U6.F1 v1(177.2,62.2)
  TOP w0.15: J17.15 v1(197.5,82.4)
  SIG4 w0.14: v1(177.2,62.2) 178.5,63.5 181.3,63.5 191.75,73.95 191.75,80.5 193.65,82.4 v1(197.5,82.4)
PRB_EL_D9: length 32.8
  TOP w0.14: U6.B1 v1(180.4,62.2)
  TOP w0.15: J17.16 v1(197.5,81.6)
  SIG4 w0.14: v1(197.5,81.6) 194.35,81.6 192.5,79.75 192.5,70 191.25,68.75 189.5,68.75 182.95,62.2 v1(180.4,62.2)
PRB_EL_D10: length 33.6
  TOP w0.14: U6.A5 v1(181.2,58.2)
  TOP w0.15: J17.18 v1(197.5,80)
  SIG4 w0.14: v1(197.5,80) 194.25,80 193.25,79 193.25,68.25 190.25,65.25 188.75,65.25 181.7,58.2 v1(181.2,58.2)
PRB_EL_D11: length 37.5
  TOP w0.14: U6.C7 v1(179.6,56.6)
  TOP w0.15: J17.19 v1(197.5,79.2)
  SIG4 w0.14: v1(197.5,79.2) 194.95,79.2 194,78.25 194,64.75 185.35,56.1 180.9,56.1 180.4,56.6 v1(179.6,56.6)
PRB_EL_D12: length 42.7
  TOP w0.14: U7.F1 v1(177.2,51.7)
  TOP w0.15: J17.21 v1(197.5,77.6)
  SIG4 w0.14: v1(177.2,51.7) 178.2,52.7 187.45,52.7 194.75,60 194.75,76.5 195.85,77.6 v1(197.5,77.6)
PRB_EL_D13: length 39.5
  TOP w0.14: U7.B1 v1(180.4,51.7)
  TOP w0.15: J17.22 v1(197.5,76.8)
  SIG4 w0.14: v1(197.5,76.8) 196.55,76.8 195.5,75.75 195.5,59.25 187.52,51.27 180.82,51.27 v1(180.4,51.7)
PRB_EL_D14: length 38.7
  TOP w0.14: U7.A5 v1(181.2,47.7)
  TOP w0.15: J17.24 v1(197.5,75.2)
  SIG4 w0.14: v1(197.5,75.2) 196.25,73.95 196.25,58.5 188,50.25 186.5,50.25 183.95,47.7 v1(181.2,47.7)
PRB_EL_D15: length 41.6
  TOP w0.14: U7.C7 v1(179.6,46.1)
  TOP w0.15: J17.25 v1(197.5,74.4)
  SIG4 w0.14: v1(197.5,74.4) 197,73.9 197,57.5 185.1,45.6 180.9,45.6 180.4,46.1 v1(179.6,46.1)
PRB_EL_D16: length 28.3
  TOP w0.14: U4.E2 v1(178,81.6)
  TOP w0.15: J17.27 v1(197.5,72.8)
  SIG1 w0.14: v1(178,81.6) 180.1,83.7 185.55,83.7 188.75,80.5 191.75,80.5 193.5,78.75 193.5,76.25 196.95,72.8 v1(197.5,72.8)
PRB_EL_D17: length 22.2
  TOP w0.14: U4.A2 v1(181.2,81.6)
  TOP w0.15: J17.28 v1(197.5,72)
  SIG1 w0.14: v1(181.2,81.6) 185.15,81.6 190.5,76.25 192.25,76.25 196.5,72 v1(197.5,72)
PRB_EL_D18: length 21.6
  TOP w0.14: U4.A6 v1(181.2,78.4)
  TOP w0.15: J17.30 v1(197.5,70.4)
  SIG1 w0.14: v1(197.5,70.4) 196.54,70.4 193.44,73.5 189.5,73.5 184.6,78.4 v1(181.2,78.4)
PRB_EL_D19: length 24.8
  TOP w0.14: U4.D7 v1(178.8,78.4)
  TOP w0.15: J17.31 v1(197.5,69.6)
  SIG1 w0.14: v1(178.8,78.4) 178.8,77.5 180.1,76.2 184.3,76.2 189.25,71.25 194.35,71.25 196,69.6 v1(197.5,69.6)
